# Altium PCB Dental Support V400.PcbDoc (part 2 of 2)
Units mm, origin at the board's own origin, x right, y up, seen from the top; angles counter-clockwise.
Board outline 100 x 70 mm, 2 copper layers (Top Layer, Bottom Layer); 69 components, 58 nets, 237 pads, 112 vias.
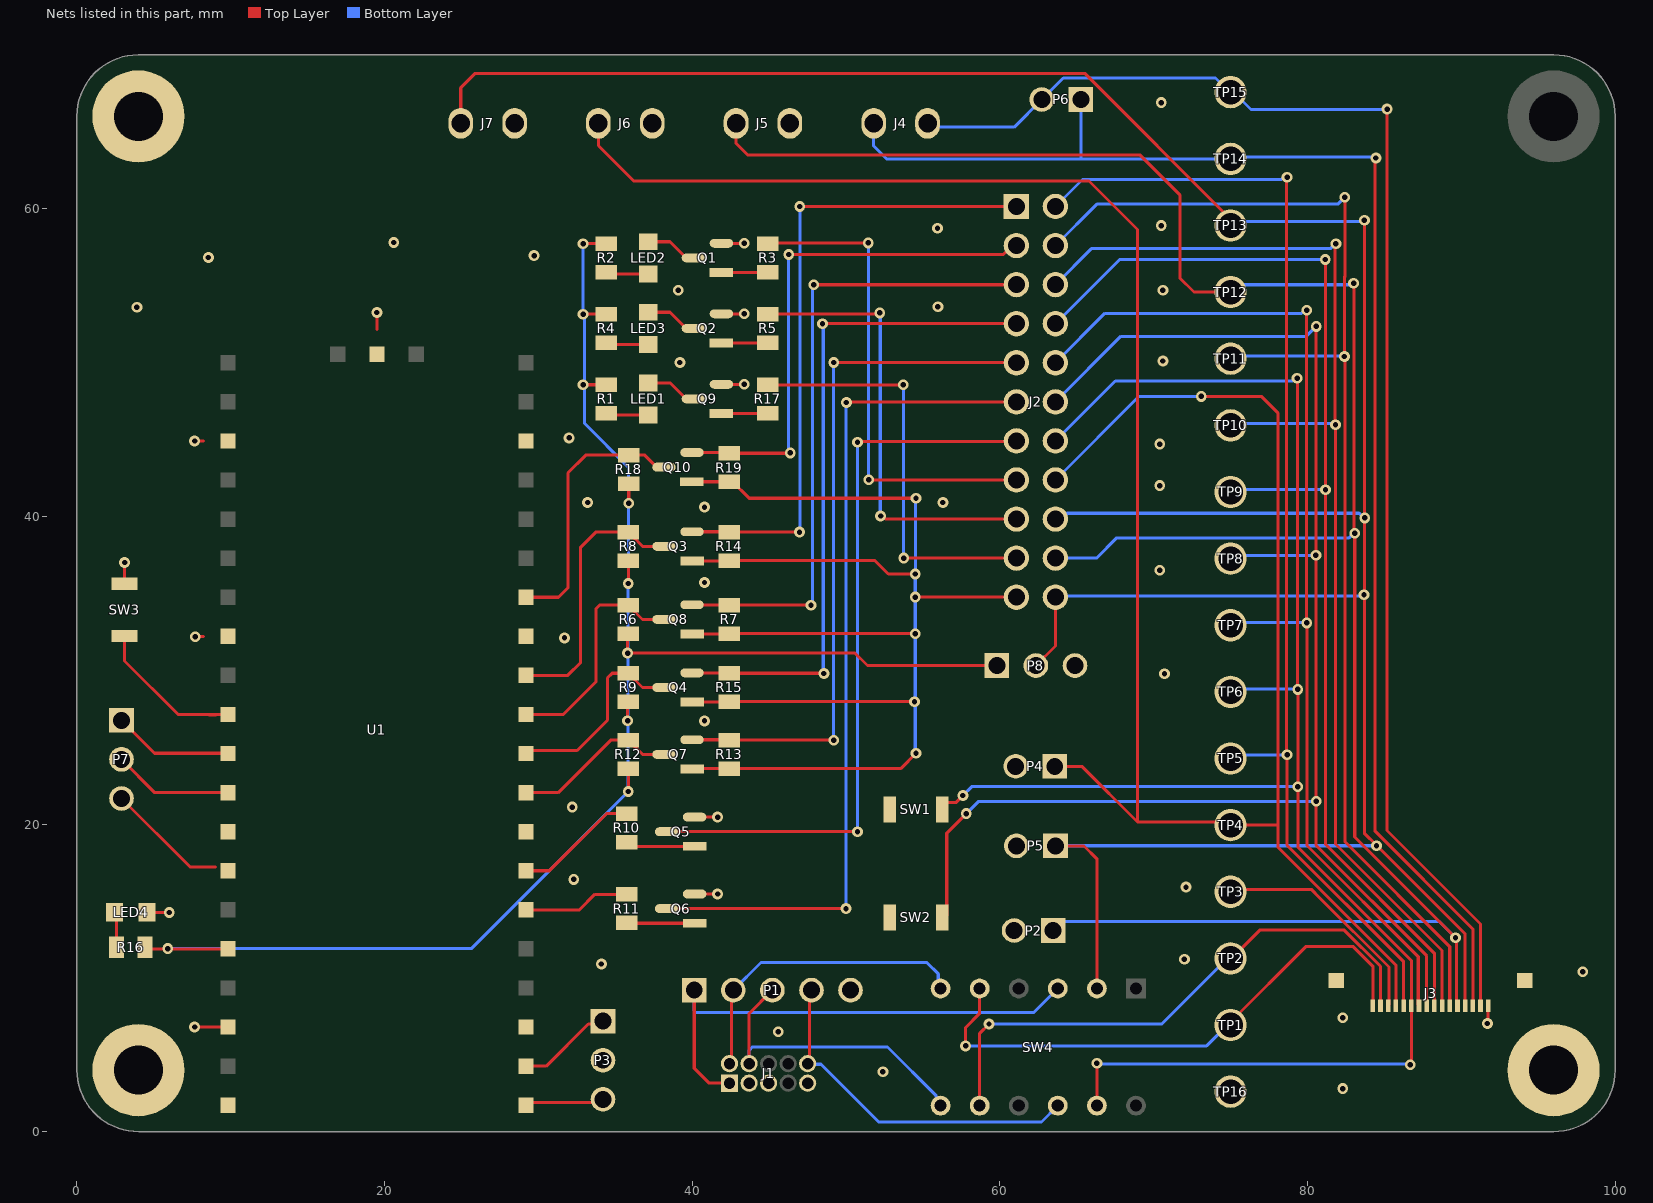
[diagram p2: the nets of this part, all layers, seen from the top]

## Part data
J1: library part CMP-02766-000059-1, "CONN HEADER VERT 10POS 1.27MM", Manufacturer=Samtec, Package=0, Temperature="-55°C to +125°C", Temperature Range High=+125°C, Temperature Range Low=-55°C, Automotive=No, Category=Conn, ComponentLink2Description=Datasheet, ComponentLink2URL=http://suddendocs.samtec.com/prints/shf-1xx-01-x-d-xx-xx-mkt.pdf, Conn Gender=Male, Conn Orientation=Vertical, Contact Material=Gold,Nickel, Device Class L1=Connectors, Device Class L2="Headers and Wire Housings", Device Class L3=unset, Digikey Description="CONN HEADER VERT 10POS 1.27MM", Footprint Url=http://suddendocs.samtec.com/prints/shf-1xx-01-x-d-xx-xx-footprint.pdf, Height=5.46mm, Lead Free=Yes, Manufacturer Part Number=SHF-105-01-L-D-TH, Mouser Description="Conn Shrouded Header (4 Sides) HDR 10 POS 1.27mm Solder ST Thru-Hole Tube", Number Of Contacts=10, Number of Rows=2, Octopart=https://octopart.com/shf-105-01-l-d-th-samtec-17904677, Pitch=1.27mm, RoHS=TRUE, Standoff Height=0.38mm
J2: library part CMP-1502-01108-1, "THT Vertical Pin Header WR-PHD, Pitch 2.54 mm, Dual Row, 22 pins", Contact Resistance=20mOhm, Manufacturer="Wurth Elektronik", Operating Temperature=-40to105degC, Rated Current=3A, Withstanding Voltage=500VAC, Working Voltage=250VAC, Datasheet URL=https://katalog.we-online.de/em/datasheet/6130xx21121.pdf, Gender=Male, Manufacturer URL=http://www.we-online.de, Mounting Technology=THT, Orientation=Vertical, Package Reference=61302221121, Packaging=Bag, Part Number=61302221121, Pin Number=22, Pitch=2.54mm, Publisher=WurthElektronik, Row Number=Dual
J3: library part CMP-1241-00362-1, "0.5 mm Pitch Easy-On(TM) Type FPC Connector, 2.0 mm Mated Height, Right Angle, ZIF, SMT, Top Contact, 16 Circuits, -20 to 85 degC, ELV and RoHS Compliant, Tape and Reel", Current (Max per Contact)=0.5A, Manufacturer=Molex, Voltage (Max)=50V, Circuits (Loaded)=16, ComponentLink1Description="Manufacturer URL", ComponentLink1URL=http://www.molex.com/molex/index.jsp, ComponentLink2Description=Datasheet, ComponentLink2URL=http://www.molex.com/webdocs/datasheets/pdf/en-us/0527451697_FFC_FPC_CONNECTORS.pdf, ComponentLink3Description="Package Specification", ComponentLink3URL=http://www.molex.com/pdm_docs/sd/527451697_sd.pdf, Contact Position=Top, Durability (mating cycles max)=20, Entry Angle="90degrees Angle", Mated Height=2.00mm, Material - Metal="Phosphor Bronze", Material - Plating Mating=Gold, Material - Plating Termination=Gold, Mounting Technology="Surface Mount", Number of Rows=1, Orientation="Right Angle", PackageDescription="16-Lead FPC Connector, Pitch 0.5 mm", PackageReference=52745-1697, PackageVersion="Rev. C, 07/2010", Packing="Tape and Reel", PartNumber=52745-1697, PCB Locator=No, PCB Retention=Yes, Pitch - Mating Interface=0.50mm, Polarized to PCB=Yes, RoHS=TRUE, Stackable=No
LED1 LED2 LED3 LED4: library part CMP-1426-00010-2, "LED RED CLEAR 0805 SMD", Case Code (Imperial)=0805, Case Code (Metric)=2012, Color=Red, Forward Current=30mA, Forward Voltage=1.9V, Lens Color=Colorless, Max Operating Temperature=85°C, Min Operating Temperature=-40°C, Package Quantity=1, Test Current=20mA, Case/Package=0805, Dominant Wavelength=630nm, Height=0.8mm, Length=2mm, Lens Size=1.25mm, Lens Style=Clear, Lens Transparency=Clear, Luminous Intensity=60mcd, Mount="Surface Mount", Packaging="Cut Tape", RoHS Compliant=Yes, Series=WL-SMCW, Viewing Angle=140°, Wavelength=630nm, Width=1.25mm
P1: library part CMP-1502-01068-1, "THT Vertical Pin Header WR-PHD, Pitch 2.54 mm, Single Row, 5 pins", Contact Resistance=20mOhm, Manufacturer="Wurth Elektronik", Operating Temperature=-40to105degC, Rated Current=3A, Withstanding Voltage=500VAC, Working Voltage=250VAC, Datasheet URL=https://katalog.we-online.de/em/datasheet/6130xx11121.pdf, Gender=Male, Manufacturer URL=http://www.we-online.de, Mounting Technology=THT, Orientation=Vertical, Package Reference=61300511121, Packaging=Bag, Part Number=61300511121, Pin Number=5, Pitch=2.54mm, Publisher=WurthElektronik, Row Number=Single
P2 P4 P5 P6: library part CMP-1712-00002-4, "THT Vertical Pin Header WR-PHD, Pitch 2.54 mm, Single Row, 2 pins", Contact Resistance=20mOhm, Manufacturer="Wurth Elektronik", Operating Temperature=-40to105degC, Rated Current=3A, Withstanding Voltage=500VAC, Working Voltage=250VAC, Datasheet URL=https://katalog.we-online.de/em/datasheet/6130xx11121.pdf, Gender=Male, Manufacturer URL=http://www.we-online.de, Mounting Technology=THT, Orientation=Vertical, Package Reference=61300211121, Packaging=Bag, Part Number=61300211121, Pin Number=2, Pitch=2.54mm, Publisher=WurthElektronik, Row Number=Single
P3 P7 P8: library part CMP-1502-01062-1, "THT Vertical Pin Header WR-PHD, Pitch 2.54 mm, Single Row, 3 pins", Contact Resistance=20mOhm, Manufacturer="Wurth Elektronik", Operating Temperature=-40to105degC, Rated Current=3A, Withstanding Voltage=500VAC, Working Voltage=250VAC, Datasheet URL=https://katalog.we-online.de/em/datasheet/6130xx11121.pdf, Gender=Male, Manufacturer URL=http://www.we-online.de, Mounting Technology=THT, Orientation=Vertical, Package Reference=61300311121, Packaging=Bag, Part Number=61300311121, Pin Number=3, Pitch=2.54mm, Publisher=WurthElektronik, Row Number=Single
Q1 Q2 Q3 Q4 Q5 Q6 Q7 Q8 Q9 Q10: library part CMP-07173-000101-1, "MOSFET N-CH 50V 220MA SOT-23", Case/Package=SOT-23, Continuous Drain Current (ID)=220mA, Drain to Source Breakdown Voltage=50V, Drain to Source Resistance=3.5R, Gate to Source Voltage (Vgs)=20V, Input Capacitance=27pF, Max Operating Temperature=150°C, Max Power Dissipation=360mW, Min Operating Temperature=-55°C, On-State Resistance=6R, Package Quantity=1, Threshold Voltage=1.3V, Contact Plating=Tin, Current Rating=220mA, Drain to Source Voltage (Vdss)=50V, Dual Supply Voltage=50V, Element Configuration=Single, Fall Time=9ns, Height=0.93mm, Lead Free="Lead Free", Length=2.92mm, Mount="Surface Mount", Nominal Vgs=1.3V, Number of Elements=1, Number of Pins=3, Packaging="Tape and Reel", Power Dissipation=360mW, Radiation Hardening=No, Rds On Max=3.5R, REACH SVHC="No SVHC", Rise Time=9ns, Termination=SMD/SMT, Turn-Off Delay Time=20ns, Turn-On Delay Time=2.5ns, Voltage Rating (DC)=50V, Weight=0.03g, Width=1.3mm
R1 R2 R4 R16: library part ERJ-6ENF2001V, "RES SMD 2K OHM 1% 1/8W 0805", Digi-Key Part Number=P2.00KCCT-ND, Manufacturer="Panasonic Electronic Components", Operating Temperature="-55°C ~ 155°C", Package / Case="0805 (2012 Metric)", Power (Watts)="0.125W, 1/8W", Supplier Device Package=0805, Temperature Coefficient=±100ppm/°C, Tolerance=±1%, @ qty=1500, Composition="Thick Film", Datasheets=http://industrial.panasonic.com/www-cgi/jvcr13pz.cgi?E+PZ+3+AOA0002+ERJ6ENF2001V+7+WW, Factory Stock=0, Failure Rate=-, Features="Automotive AEC-Q200", Height - Seated (Max)="0.028\" (0.70mm)", Image=//media.digikey.com/Renders/Panasonic%20Renders/ERJ-0805%20Pkg.jpg, Minimum Quantity=1, Number of Terminations=2, Packaging="Cut Tape (CT)", Part Number=ERJ-6ENF2001V, Part Status=Active, Quantity Available=732688, Series=ERJ, Size / Dimension="0.079\" L x 0.049\" W (2.00mm x 1.25mm)", Unit Price (USD)=0.00729
R3 R5 R10 R11 R17: library part ERJ-6ENF1000V, "RES SMD 100 OHM 1% 1/8W 0805", Digi-Key Part Number=P100CCT-ND, Manufacturer="Panasonic Electronic Components", Operating Temperature="-55°C ~ 155°C", Package / Case="0805 (2012 Metric)", Power (Watts)="0.125W, 1/8W", Supplier Device Package=0805, Temperature Coefficient=±100ppm/°C, Tolerance=±1%, @ qty=1500, Composition="Thick Film", Datasheets=http://industrial.panasonic.com/www-cgi/jvcr13pz.cgi?E+PZ+3+AOA0002+ERJ6ENF1000V+7+WW, Factory Stock=0, Failure Rate=-, Features="Automotive AEC-Q200", Height - Seated (Max)="0.028\" (0.70mm)", Image=//media.digikey.com/Renders/Panasonic%20Renders/ERJ-0805%20Pkg.jpg, Minimum Quantity=1, Number of Terminations=2, Packaging="Cut Tape (CT)", Part Number=ERJ-6ENF1000V, Part Status=Active, Quantity Available=288663, Series=ERJ, Size / Dimension="0.079\" L x 0.049\" W (2.00mm x 1.25mm)", Unit Price (USD)=0.00729
R6 R7 R8 R9 R12 R13 R14 R15 R18 R19: library part ERJ-6ENF1002V, "RES SMD 10K OHM 1% 1/8W 0805", Digi-Key Part Number=P10.0KCCT-ND, Manufacturer="Panasonic Electronic Components", Operating Temperature="-55°C ~ 155°C", Package / Case="0805 (2012 Metric)", Power (Watts)="0.125W, 1/8W", Supplier Device Package=0805, Temperature Coefficient=±100ppm/°C, Tolerance=±1%, @ qty=1500, Composition="Thick Film", Datasheets=http://industrial.panasonic.com/www-cgi/jvcr13pz.cgi?E+PZ+3+AOA0002+ERJ6ENF1002V+7+WW, Factory Stock=0, Failure Rate=-, Features="Automotive AEC-Q200", Height - Seated (Max)="0.028\" (0.70mm)", Image=//media.digikey.com/Renders/Panasonic%20Renders/ERJ-0805%20Pkg.jpg, Minimum Quantity=1, Number of Terminations=2, Packaging="Cut Tape (CT)", Part Number=ERJ-6ENF1002V, Part Status=Active, Quantity Available=3985614, Series=ERJ, Size / Dimension="0.079\" L x 0.049\" W (2.00mm x 1.25mm)", Unit Price (USD)=0.00729
SW1 SW2 SW3: library part CMP-2100-03586-2, "SWITCH TACTILE SPST-NO 0.05A 12V", Contact Current Rating=50mA, Contact Resistance=100mR, Insulation Resistance=100MR, Max Operating Temperature=70°C, Max Voltage Rating (DC)=12V, Min Operating Temperature=-25°C, Operating Force=1.5N, Package Quantity=1, Ratings="Dust Proof", Actuator Length=0.4mm, Actuator Type=Standard, Contact Material=Silver, Current Rating=50mA, Depth=2.5mm, Electrical Life=200000Cycles, Height=1.2mm, Illumination Type=Non-Illuminated, Lead Free="Lead Free", Length=4mm, Max Current Rating=50mA, Mechanical Life=200000Cycles, Mount="Surface Mount", Orientation=Straight, Packaging="Tape and Reel", Switch Function=Off-Mom, Switch Travel=0.15mm, Termination=SMD/SMT, Throw Configuration=SPST, Voltage Rating (DC)=12V, Weight=0.000776oz, Width=3mm
SW4: library part CMP-03405-000007-1, "Pushbutton Switch SPST-NO Keyswitch, Illuminated Through Hole", Actuator Color=Natural, Contact Current Rating=300mA, Contact Resistance=40mR, Flammability Rating="UL94 V-0", Max Operating Temperature=80°C, Max Voltage Rating (DC)=115V, Min Operating Temperature=-40°C, Actuator Material=Polyester, Actuator Type=SLIDE, Color=Natural, Contact Material="Copper Alloy", Contact Plating=Silver, Current Rating=300mA, Electrical Life=15000Cycles, Lead Free="Lead Free", Mount="Through Hole", Number of Poles=4, Number of Positions=2, Orientation=Vertical, Packaging=Rail/Tube, REACH SVHC="No SVHC", RoHS Compliant=Yes, Termination=Solder, Throw Configuration=4PDT, Voltage Rating (AC)=115V
TP1 TP2 TP3 TP4 TP5 TP6 TP7 TP8 TP9 TP10 TP11 TP12 TP13 TP14 TP15 TP16: library part CMP-1672-00003-4, "Test Point, Black, Through Hole, RoHS, Bulk", Colour=Black, Manufacturer=Keystone, Package Quantity=100, ComponentLink1Description="Manufacturer URL", ComponentLink1URL=http://www.keyelco.com/, ComponentLink2Description=Datasheet, ComponentLink2URL=http://www.keyelco.com/product-pdf.cfm?p=1320, Contact Material=Bronze, Contact Plating=Silver, DatasheetVersion="Rev. F, 12/2013", Height="8.12 mm", Mount="Through Hole", Mounting Technology="Through Hole", PackageDescription="1-Pin Through Hole Device, Dia 3.17 mm", PackageReference=5011, Packaging=Bulk, Pins=1, REACH SVHC="No SVHC", RoHSCompliant=true

## Free pads (board coordinates)
  round 6 hole 3.2: 2(4,4) 2(4,66) 2(96,4) 2(96,66)

## Via types
v1: diameter 0.7, hole 0.35, Top Layer to Bottom Layer, tented both sides, 112 vias

## Nets (pads, with @x,y where several pads share a name; then routed paths per layer and width w, separated by ;. In a path a pad name is that pad's centre, name@x,y a point inside that pad or via, vN(x,y) a via of type N, cw(c..) or ccw(c..) an arc to the next point about the centre after c; other vN are vias at no path point)
3V3: P8.1 R1.1 R2.1 R4.1 R6.2 R8.2 R9.2 R12.2 R16.1 R18.2 U1.36 | length 112.5
  Top Layer w0.2: R16.1@4.425,12 4.545,11.88 U1.36@9.82,11.88 U1.36@9.815,11.875 ; v1(32.91,48.558) R1.1@34.4,48.558 ; v1(32.91,53.142) R4.1@34.4,53.142 ; v1(32.91,57.725) R2.1@34.4,57.725 ; v1(35.8,26.71) R9.2@35.8,28.2 ; R6.2@35.8,32.6 v1(35.8,31.11) 50.59,31.11 51.399,30.301 P8.1@59.805,30.301 ; v1(35.85,22.11) R12.2@35.85,23.6 ; v1(35.85,35.635) R8.2@35.85,37.125 ; v1(35.875,40.85) R18.2@35.875,42.125
  Bottom Layer w0.2: v1(5.9,11.9) 25.64,11.9 v1(35.85,22.11) 35.825,22.135 35.825,31.085 v1(35.8,31.11) 35.825,31.135 35.825,35.61 v1(35.85,35.635) 35.85,43.2 33.01,46.04 33.01,48.558 v1@33.01,53.142 ; v1(32.91,53.142) v1(32.91,57.725)
5V: U1.40
CS_ACC: J2.4 J3.6 TP11.1 | length 83
  Top Layer w0.2: v1@82.4,60.75 82.45,60.7 82.45,55.598 82.4,55.548 v1(82.4,50.395) 82.45,50.345 82.45,18.825 89.25,12.025 J3.6@89.25,8.176
  Bottom Layer w0.2: J2.4@63.615,57.605 66.31,60.3 81.975,60.3 v1(82.425,60.75) ; TP11.1@75,50.448 75.027,50.422 82.373,50.422 v1(82.4,50.395)
CS_MEM: J2.2 J3.12 TP5.1 | length 76.6
  Top Layer w0.2: v1(78.675,62.05) 78.65,62.025 78.65,24.525 v1(78.675,24.5) 78.675,18.625 86.25,11.05 J3.12@86.25,8.176
  Bottom Layer w0.2: J2.2@63.615,60.145 65.37,61.9 78.308,61.9 78.362,61.954 78.579,61.954 v1(78.675,62.05) ; TP5.1@75,24.458 75.021,24.479 78.654,24.479 v1(78.675,24.5)
DEBUG: J3.14 TP3.1 | length 15
  Top Layer w0.2: TP3.1@75,15.595 cw(c75.374,15.221) 75.374,15.75 80.25,15.75 80.787,15.213 85.3,10.7 85.3,8.226 J3.14@85.25,8.176
  Bottom Layer w0.2: TP3.1@75,15.795 TP3.1@75.022,15.772
GND: J1.3 J1.5 J1.9 J3.1 J3.MP1 J3.MP2 J5.2 J6.2 J7.2 LED4.1 P1.5 P2.2 P3.2 P4.2 P5.2 P8.3 pad.2@4,4 pad.2@4,66 pad.2@96,4 Q1.2 Q2.2 Q5.2 Q6.2 Q9.2 SW1.1 SW2.1 SW3.1 TP16.1 U1.3 U1.8 U1.13 U1.18 U1.23 U1.28 U1.33 U1.38 U1.D2 | length 15.8
  Top Layer w0.2: SW3.1@3.1,35.625 v1(3.1,37) ; LED4.1@4.55,14.25 v1(6,14.25) ; v1@7.625,6.775 v1(7.65,6.8) U1.38@9.82,6.8 ; v1(7.65,44.9) 8.22,44.9 ; v1(7.7,32.175) 7.725,32.2 8.22,32.2 ; 19.51,52.15 v1@19.51,53.259 ; Q6.2@40.16,15.45 v1(41.65,15.45) ; Q5.2@40.16,20.45 v1(41.65,20.45) ; Q9.2@41.9,48.583 v1(43.39,48.583) ; Q2.2@41.9,53.167 v1(43.39,53.167) ; Q1.2@41.9,57.75 v1(43.39,57.75) ; v1@91.75,7.078 J3.1@91.75,8.176
  other v1: 82.3,2.8 52.4,3.9 45.6,6.5 91.7,7.028 82.3,7.4 97.9,10.4 34.1,10.9 72,11.2 72.1,15.9 32.3,16.4 32.2,21.1 40.8,26.7 70.703,29.769 31.7,32.1 40.8,35.7 70.4,36.5 40.8,40.6 33.2,40.9 56.3,40.9 70.4,42 70.4,44.7 32,45.1 39.2,50 70.6,50.1 19.505,53.255 3.9,53.6 55.975,53.625 39.1,54.7 70.6,54.7 8.55,56.825 29.725,56.95 20.6,57.8 55.95,58.725 70.5,58.9 70.5,66.9
LED1: J2.15 R3.1 | length 31.6
  Top Layer w0.2: R3.1@44.9,57.725 44.95,57.775 v1(51.45,57.775) ; v1(51.475,42.375) 51.48,42.37 61.07,42.37 J2.15@61.075,42.365
  Bottom Layer w0.2: v1(51.45,57.775) 51.463,57.763 51.463,42.387 v1(51.475,42.375)
LED2: J2.17 R5.1 | length 29.5
  Top Layer w0.2: R5.1@44.9,53.142 52.117,53.142 v1(52.2,53.225) ; v1(52.25,40.025) 52.385,40.025 52.585,39.825 J2.17@61.075,39.825
  Bottom Layer w0.2: v1(52.2,53.225) 52.225,53.2 52.225,40.05 v1(52.25,40.025)
LED3: J2.19 R17.1 | length 27.8
  Top Layer w0.2: R17.1@44.854,48.55 v1(53.725,48.55) ; v1(53.75,37.285) J2.19@61.075,37.285
  Bottom Layer w0.2: v1(53.725,48.55) 53.725,37.31 v1(53.75,37.285) ; J2.19@60.86,37.5 J2.19@61.075,37.285
MISO: J2.6 J3.7 TP10.1 | length 78.7
  Top Layer w0.2: v1@81.8,57.725 81.8,45.975 v1(81.825,45.95) 81.825,18.7 88.75,11.775 J3.7@88.75,8.176
  Bottom Layer w0.2: J2.6@63.615,55.065 65.95,57.4 81.483,57.4 81.808,57.725 v1(81.85,57.725) ; TP10.1@75,46.117 75.083,46.033 81.742,46.033 v1(81.825,45.95)
MOSI: J2.8 J3.8 TP9.1 | length 76.9
  Top Layer w0.2: v1@81.175,56.7 v1(81.175,41.725) 81.175,18.675 88.25,11.6 J3.8@88.25,8.176
  Bottom Layer w0.2: J2.8@63.615,52.525 67.79,56.7 v1(81.15,56.7) ; TP9.1@75,41.785 75.03,41.755 81.145,41.755 v1(81.175,41.725)
NetLED1_1: LED1.1 Q9.3 | length 3.4
  Top Layer w0.2: LED1.1@37.15,48.683 38.557,48.683 39.607,47.633 Q9.3@40.08,47.633
NetLED1_2: LED1.2 R1.2 | length 2.8
  Top Layer w0.2: R1.2@34.4,46.708 34.525,46.583 LED1.2@37.15,46.583
NetLED2_1: LED2.1 Q1.3 | length 3.4
  Top Layer w0.2: LED2.1@37.15,57.85 38.557,57.85 39.607,56.8 Q1.3@40.08,56.8
NetLED2_2: LED2.2 R2.2 | length 2.8
  Top Layer w0.2: R2.2@34.4,55.875 34.525,55.75 LED2.2@37.15,55.75
NetLED3_1: LED3.1 Q2.3 | length 3.4
  Top Layer w0.2: LED3.1@37.15,53.267 38.557,53.267 39.607,52.217 Q2.3@40.08,52.217
NetLED3_2: LED3.2 R4.2 | length 2.8
  Top Layer w0.2: R4.2@34.4,51.292 34.525,51.167 LED3.2@37.15,51.167
NetLED4_2: LED4.2 R16.2 | length 2.3
  Top Layer w0.2: LED4.2@2.45,14.25 2.575,14.125 R16.2@2.575,12
NetP3_1: P3.1 U1.2 | length 6.7
  Top Layer w0.2: U1.2@29.2,4.26 30.51,4.26 33.25,7 P3.1@34.75,7
NetP3_3: P3.3 U1.1 | length 5.1
  Top Layer w0.2: U1.1@29.2,1.72 29.365,1.885 P3.3@34.275,1.885
NetP7_1: P7.1 U1.31 | length 7.8
  Top Layer w0.2: P7.1@2.9,26.74 5.04,24.6 U1.31@9.82,24.6
NetP7_2: P7.2 U1.32 | length 7.8
  Top Layer w0.2: P7.2@2.9,24.2 5.06,22.04 U1.32@9.82,22.04
NetP7_3: P7.3 U1.34 | length 7.9
  Top Layer w0.2: P7.3@2.9,21.66 7.36,17.2 9,17.2
NetQ1_1: Q1.1 R3.2 | length 3.1
  Top Layer w0.2: Q1.1@41.9,55.85 R3.2@44.834,55.85 ; R3.2@44.9,55.784 R3.2@44.834,55.85 ; R3.2@44.9,55.875 44.875,55.85 R3.2@44.834,55.85
NetQ2_1: Q2.1 R5.2 | length 3
  Top Layer w0.2: Q2.1@41.9,51.267 44.875,51.267 R5.2@44.9,51.292
NetQ5_1: Q5.1 R10.2 | length 4.5
  Top Layer w0.2: R10.2@35.776,18.585 35.75,18.559 35.759,18.55 Q5.1@40.16,18.55
NetQ6_1: Q6.1 R11.2 | length 4.4
  Top Layer w0.2: R11.2@35.75,13.484 R11.2@35.756,13.49 ; R11.2@35.75,13.575 35.775,13.55 Q6.1@40.16,13.55
NetQ9_1: Q9.1 R17.2 | length 3
  Top Layer w0.2: Q9.1@41.9,46.683 44.875,46.683 R17.2@44.9,46.708
NetSW3_2: SW3.2 U1.30 | length 10.2
  Top Layer w0.2: SW3.2@3.1,32.225 3.1,30.6 6.58,27.12 U1.30@9.82,27.12 ; 8.575,27.1 9.025,27.1
P_RESET: R10.1 U1.7 | length 8.1
  Top Layer w0.2: U1.7@29.2,16.96 30.71,16.96 34.425,20.675 R10.1@35.75,20.675
P_WAKE_UP: R11.1 U1.6 | length 7.2
  Top Layer w0.2: U1.6@29.2,14.42 32.67,14.42 33.675,15.425 R11.1@35.659,15.425 ; R11.1@35.588,15.354 R11.1@35.659,15.425 ; R11.1@35.75,15.425 R11.1@35.659,15.425 ; R11.1@35.75,15.516 R11.1@35.659,15.425
PI_CS_ACC: Q10.3 R18.1 U1.14 | length 17.5
  Top Layer w0.2: U1.14@29.2,34.74 31.315,34.74 31.925,35.35 31.925,42.825 33.075,43.975 R18.1@35.875,43.975 36.917,43.975 37.692,43.2 Q10.3@38.165,43.2
PI_CS_MEM: Q3.3 R8.1 U1.12 | length 17.6
  Top Layer w0.2: U1.12@29.2,29.66 31.91,29.66 32.75,30.5 32.75,38 33.725,38.975 R8.1@35.85,38.975 36.775,38.05 Q3.3@38.172,38.05
PI_MISO: Q8.3 R6.1 U1.11 | length 15.1
  Top Layer w0.2: U1.11@29.2,27.12 31.62,27.12 33.75,29.25 33.75,34 33.975,34.225 R6.1@35.85,34.225 36.775,33.3 Q8.3@38.172,33.3
PI_MOSI: Q4.3 R9.1 U1.10 | length 13.1
  Top Layer w0.2: U1.10@29.2,24.58 29.395,24.775 32.525,24.775 34.5,26.75 34.5,29.5 34.8,29.8 R9.1@35.85,29.8 36.775,28.875 Q4.3@38.172,28.875
PI_SCLK: Q7.3 R12.1 U1.9 | length 10.8
  Top Layer w0.2: U1.9@29.2,22.04 31.29,22.04 34.7,25.45 R12.1@35.85,25.45 36.775,24.525 Q7.3@38.172,24.525
RESET: J2.14 J3.11 SW1.2 SW4.11 TP6.1 | length 116.5
  Top Layer w0.2: SW1.2@56.375,20.9 56.375,21.215 56.55,21.39 57.14,21.39 v1(57.6,21.85) ; SW4.11@66.31,1.69 v1(66.31,4.44) ; v1@79.35,48.975 79.35,28.775 v1(79.375,28.75) v1(79.375,22.425) 79.375,18.5 86.75,11.125 J3.11@86.75,8.176 86.75,4.425 v1(86.675,4.35)
  Bottom Layer w0.2: v1(57.6,21.85) 58.175,22.425 v1(79.375,22.425) ; J2.14@63.615,44.905 67.51,48.8 79.015,48.8 79.19,48.975 v1(79.325,48.975) ; v1(66.31,4.44) 66.355,4.395 86.63,4.395 v1(86.675,4.35) ; TP6.1@75,28.79 75.02,28.77 79.355,28.77 v1(79.375,28.75)
S_CS_ACC: J2.3 Q10.2 R19.1 | length 34.4
  Top Layer w0.2: Q10.2@39.985,44.15 42.35,44.15 R19.1@42.4,44.1 46.35,44.1 v1(46.375,44.125) ; v1(46.275,57.025) 60.233,57.025 60.813,57.605 J2.3@61.075,57.605
  Bottom Layer w0.2: v1(46.275,57.025) 46.275,44.225 v1(46.375,44.125)
S_CS_MEM: J2.1 Q3.2 R14.1 | length 42.2
  Top Layer w0.2: Q3.2@39.992,39 42.375,39 R14.1@42.4,38.975 v1(46.975,38.975) ; v1(47,60.145) J2.1@61.075,60.145
  Bottom Layer w0.2: v1@47,38.975 v1(47,60.145)
S_MISO: J2.5 Q8.2 R7.1 | length 41.8
  Top Layer w0.2: Q8.2@39.992,34.25 42.375,34.25 R7.1@42.4,34.225 v1(47.725,34.225) ; v1(47.9,55.05) 47.907,55.057 61.068,55.057 J2.5@61.075,55.065
  Bottom Layer w0.2: v1@47.75,34.225 47.813,34.287 47.813,54.962 v1(47.9,55.05)
S_MOSI: J2.7 Q4.2 R15.1 | length 43.8
  Top Layer w0.2: Q4.2@39.992,29.825 42.375,29.825 R15.1@42.4,29.8 v1@48.5,29.8 ; v1(48.475,52.525) J2.7@61.075,52.525
  Bottom Layer w0.2: v1(48.475,52.525) 48.519,52.481 48.519,29.852 v1@48.544,29.827
  other v1: 48.562,29.784
S_RESET: J2.13 Q5.3 | length 48.1
  Top Layer w0.2: Q5.3@38.34,19.5 v1(50.75,19.5) ; v1(50.75,44.825) 50.79,44.865 61.035,44.865 J2.13@61.075,44.905
  Bottom Layer w0.2: v1(50.75,19.5) v1(50.75,44.825)
S_SCLK: J2.9 Q7.2 R13.1 | length 45.7
  Top Layer w0.2: Q7.2@39.992,25.475 42.375,25.475 R13.1@42.4,25.45 v1(49.2,25.45) ; v1(49.2,50) 49.208,49.992 61.067,49.992 J2.9@61.075,49.985
  Bottom Layer w0.2: v1(49.2,50) 49.2,25.5 v1@49.25,25.45
S_VDD: J2.21 Q3.1 Q4.1 Q7.1 Q8.1 Q10.1 R7.2 R13.2 R14.2 R15.2 R19.2 | length 96.6
  Top Layer w0.2: Q10.1@39.985,42.25 R19.2@42.4,42.25 42.625,42.25 43.7,41.175 v1(54.55,41.175) ; Q4.1@39.992,27.925 42.375,27.925 R15.2@42.4,27.95 v1(54.45,27.95) ; Q8.1@39.992,32.35 42.375,32.35 R7.2@42.4,32.375 v1(54.5,32.375) ; Q3.1@39.992,37.1 42.375,37.1 R14.2@42.4,37.125 51.875,37.125 52.75,36.25 v1(54.5,36.25) ; Q7.1@40.4,23.6 53.55,23.6 v1(54.55,24.6) ; v1(54.5,34.75) 54.503,34.747 61.072,34.747 J2.21@61.075,34.745
  Bottom Layer w0.2: v1(54.55,24.6) 54.5,24.65 v1(54.5,32.375) v1(54.5,34.75) v1(54.5,36.25) 54.525,36.275 54.525,41.15 v1(54.55,41.175)
S_WAKE_UP: J2.11 Q6.3 | length 55.6
  Top Layer w0.2: Q6.3@38.34,14.5 v1(50,14.5) ; v1(50.025,47.4) 50.047,47.422 61.053,47.422 J2.11@61.075,47.445
  Bottom Layer w0.2: v1(50,14.5) 50.012,14.513 50.012,47.387 v1(50.025,47.4)
SCLK: J2.10 J3.10 TP7.1 | length 71
  Top Layer w0.2: v1(79.95,53.4) v1(79.95,33.075) 79.975,33.05 79.975,24.625 79.975,18.6 87.2,11.375 87.2,8.226 J3.10@87.25,8.176
  Bottom Layer w0.2: J2.10@63.615,49.985 66.83,53.2 79.615,53.2 79.815,53.4 v1(79.95,53.4) ; TP7.1@75,33.122 75.023,33.098 79.927,33.098 v1(79.95,33.075)
SW_RESET: J1.10 P1.4 SW4.10 | length 23.2
  Top Layer w0.2: J1.10@47.51,4.42 47.632,4.542 47.632,9.077 P1.4@47.755,9.2
  Bottom Layer w0.2: J1.10@47.51,4.42 47.55,4.38 48.37,4.38 52.125,0.625 62.705,0.625 SW4.10@63.77,1.69
SW_SWCLK: J1.4 P1.3 SW4.7 | length 20.6
  Top Layer w0.2: J1.4@43.7,4.42 43.7,7.685 P1.3@45.215,9.2
  Bottom Layer w0.2: J1.4@43.7,4.42 43.7,5.3 43.9,5.5 52.7,5.5 55.862,2.338 55.862,2.273 56.15,1.985 SW4.7@56.15,1.69
SW_SWDIO: J1.2 P1.2 SW4.6 | length 20.3
  Top Layer w0.2: J1.2@42.43,4.42 42.552,4.542 42.552,9.077 P1.2@42.675,9.2
  Bottom Layer w0.2: P1.2@42.675,9.2 44.475,11 55.25,11 55.995,10.255 55.995,9.465 SW4.6@56.15,9.31
SW_VDD: J1.1 P1.1 SW4.3 | length 33.4
  Top Layer w0.2: P1.1@40.135,9.2 40.135,4.115 41.1,3.15 J1.1@42.43,3.15
  Bottom Layer w0.2: P1.1@40.135,9.2 40.135,7.867 40.252,7.75 62.21,7.75 SW4.3@63.77,9.31
SWCLK: J3.15 SW4.8 TP2.1 | length 37.1
  Top Layer w0.2: SW4.8@58.69,1.69 58.69,6.39 v1(59.3,7) ; TP2.1@75,11.463 75.263,11.463 76.9,13.1 82.395,13.1 84.75,10.745 J3.15@84.75,8.176
  Bottom Layer w0.2: v1(59.3,7) 70.537,7 75,11.463 TP2.1@75.006,11.469
SWDIO: J3.16 SW4.5 TP1.1 | length 36.4
  Top Layer w0.2: v1(57.775,5.575) 57.775,6.775 58.69,7.69 SW4.5@58.69,9.31 ; TP1.1@75,7.132 79.918,12.05 82.95,12.05 84.25,10.75 J3.16@84.25,8.176
  Bottom Layer w0.2: v1(57.775,5.575) 73.443,5.575 TP1.1@75,7.132
TEG+: J3.3 J4.1 P6.1 TP14.1 | length 96.6
  Top Layer w0.2: v1(84.45,63.3) 84.4,63.25 84.4,19.525 90.75,13.175 J3.3@90.75,8.176
  Bottom Layer w0.2: J4.1@51.8,66.1 51.8,64.075 52.632,63.243 65.27,63.243 ; P6.1@65.27,67.1 65.27,63.243 ; TP14.1@75,63.243 65.27,63.243 ; TP14.1@75.072,63.372 84.378,63.372 v1(84.45,63.3)
TEG-: J3.2 J4.2 P6.2 TP15.1 | length 93.1
  Top Layer w0.2: v1(85.175,66.475) 85.175,19.575 91.25,13.5 J3.2@91.25,8.176
  Bottom Layer w0.2: J4.2@55.3,66.1 56.1,65.3 60.93,65.3 P6.2@62.73,67.1 64.13,68.5 74.016,68.5 74.941,67.575 TP15.1@75,67.575 ; TP15.1@75.1,67.675 76.325,66.45 85.15,66.45 v1(85.175,66.475)
VDD: J2.18 J2.22 J3.4 J7.1 P5.1 P8.2 SW4.2 TP13.1 | length 197.5
  Top Layer w0.2: J7.1@24.956,65.55 24.956,67.856 25.9,68.8 65.524,68.8 75,59.324 TP13.1@75,58.912 ; P8.2@62.345,30.301 63.615,31.571 J2.22@63.615,34.745 ; P5.1@63.62,18.575 65.475,18.575 66.31,17.74 SW4.2@66.31,9.31 ; v1(83.7,59.25) 83.7,19.4 84.488,18.612 v1(84.488,18.588) ; v1@84.5,18.6 84.501,18.6 90.25,12.851 J3.4@90.25,8.176
  Bottom Layer w0.2: J2.22@63.615,34.745 63.77,34.9 63.848,34.822 83.597,34.822 v1(83.675,34.9) ; J2.18@63.615,39.825 64.007,39.825 64.382,40.2 83.358,40.2 83.658,39.9 v1(83.725,39.9) ; P5.1@63.62,18.575 63.633,18.588 v1(84.488,18.588) ; TP13.1@75,59.112 75.069,59.181 83.631,59.181 v1(83.7,59.25)
VEXT: J2.16 J3.13 J6.1 P4.1 TP4.1 | length 152.2
  Top Layer w0.2: J6.1@33.904,65.55 33.904,64.096 36.2,61.8 65.8,61.8 68.948,58.652 68.948,20.127 ; P4.1@63.57,23.75 65.325,23.75 68.948,20.127 ; v1(73.1,47.8) 77,47.8 78.075,46.725 78.075,19.9 ; TP4.1@75,19.927 78.011,19.927 cw(c78.011,19.836) 78.075,19.9 ; TP4.1@75,20.127 68.948,20.127 ; J3.13@85.75,8.176 85.75,10.825 78.075,18.5 78.075,19.9
  Bottom Layer w0.2: J2.16@63.615,42.365 69.05,47.8 v1(73.1,47.8)
VSTORE: J2.20 J3.5 J5.1 P2.1 TP12.1 | length 145.7
  Top Layer w0.2: J5.1@42.852,65.55 42.852,64.248 43.6,63.5 69.1,63.5 71.7,60.9 71.7,55.5 72.62,54.58 TP12.1@75,54.58 ; P2.1@63.47,13.075 P2.1@63.607,12.938 ; v1(83,55.15) 83.037,55.112 83.037,38.938 v1(83.075,38.9) 83.075,19.15 89.7,12.525 89.7,8.226 J3.5@89.75,8.176
  Bottom Layer w0.2: P2.1@63.47,13.075 64.07,13.675 88.55,13.675 v1(89.625,12.6) ; J2.20@63.615,37.285 66.285,37.285 67.6,38.6 82.708,38.6 83.008,38.9 v1(83.075,38.9) ; TP12.1@75,54.78 75.274,55.054 82.904,55.054 v1(83,55.15)
WAKE_UP: J2.12 J3.9 SW2.2 TP8.1 | length 102.2
  Top Layer w0.2: SW2.2@56.375,13.875 56.55,14.05 56.55,19.4 v1(57.825,20.675) ; v1@80.55,21.475 80.55,18.625 87.75,11.425 J3.9@87.75,8.176 ; v1@80.55,52.35 v1(80.55,37.475) 80.563,37.462 80.563,21.488 v1(80.575,21.475)
  Bottom Layer w0.2: v1(57.825,20.675) 58.625,21.475 v1(80.575,21.475) ; J2.12@63.615,47.445 67.87,51.7 79.925,51.7 v1(80.575,52.35) ; TP8.1@75,37.453 75.011,37.464 80.539,37.464 v1(80.55,37.475)
pads on no net: J1.6 J1.7 J1.8 SW4.1 SW4.4 SW4.9 SW4.12 U1.4 U1.5 U1.15 U1.16 U1.17 U1.19 U1.20 U1.21 U1.22 U1.24 U1.25 U1.26 U1.27 U1.29 U1.35 U1.37 U1.39 U1.D1 U1.D3

## Polygon pours and split planes (outlines as drawn)
GND on Bottom Layer "GND_L02_P002" (solid, remove dead copper, pour order 2): 0,0 0,70 100,70 100,0
GND on Top Layer "GND_L01_P001" (solid, remove dead copper, pour order 1): 0,0 0,70 100,70 100,0

## Keep-outs
Top Layer:
  rectangle: 77.875,13.275 99.6,69.775
Bottom Layer:
  rectangle: 77.875,13.275 99.6,69.775

## Other copper
Top Layer:
  pour cut-out: 7.85,67.2 7.85,62.35 ccw(c8.325,62.35) 8.325,61.875 21.292,61.875 ccw(c21.292,62.608) 22.025,62.608 22.025,67.175 ccw(c21.575,67.175) 21.575,67.625 8.275,67.625 ccw(c8.275,67.2)
  region: 8.96,63.401 8.96,64.434 8.951,64.434 8.951,64.444 8.15,64.444 8.15,64.453 8.141,64.453 8.141,64.472 8.15,64.472 8.15,64.928 8.141,64.928 8.141,64.937 8.15,64.937 8.15,64.956 10.496,64.956 10.496,64.444 9.695,64.444 9.695,64.434 9.686,64.434 9.686,62.34 8.96,62.34 8.96,63.392
  region: 21.31,64.62 21.31,64.164 21.32,64.164 21.32,64.155 21.738,64.155 21.738,63.922 21.729,63.922 21.729,63.913 21.31,63.913 21.31,62.713 21.32,62.713 21.32,62.666 21.329,62.666 21.329,62.647 21.338,62.647 21.338,62.638 21.347,62.638 21.347,62.62 21.357,62.62 21.357,62.61 21.366,62.61 21.366,62.601 21.385,62.601 21.385,62.592 21.394,62.592 21.394,62.582 21.413,62.582 21.413,62.573 21.431,62.573 21.431,62.564 21.468,62.564 21.468,62.554 21.524,62.554 21.524,62.545 21.552,62.545 21.552,62.554 21.645,62.554 21.645,62.564 21.692,62.564 21.692,62.573 21.72,62.573 21.72,62.303 21.682,62.303 21.682,62.294 21.608,62.294 21.608,62.284 21.347,62.284 21.347,62.294 21.273,62.294 21.273,62.303 21.236,62.303 21.236,62.312 21.199,62.312 21.199,62.322 21.171,62.322 21.171,62.331 21.152,62.331 21.152,62.34 21.133,62.34 21.133,62.35 21.115,62.35 21.115,62.359 21.096,62.359 21.096,62.368 21.087,62.368 21.087,62.378 21.068,62.378 21.068,62.387 21.059,62.387 21.059,62.396 21.05,62.396 21.05,62.405 21.04,62.405 21.04,62.424 21.031,62.424 21.031,62.433 21.022,62.433 21.022,62.452 21.012,62.452 21.012,62.461 21.003,62.461 21.003,62.48 20.994,62.48 20.994,62.508 20.984,62.508 20.984,62.536 20.975,62.536 20.975,62.592 20.966,62.592 20.966,63.904 20.957,63.904 20.957,63.913 20.649,63.913 20.649,64.155 20.957,64.155 20.957,64.164 20.966,64.164 20.966,64.546 20.984,64.546 20.984,64.555 21.012,64.555 21.012,64.565 21.04,64.565 21.04,64.574 21.068,64.574 21.068,64.583 21.105,64.583 21.105,64.593 21.133,64.593 21.133,64.602 21.161,64.602 21.161,64.611 21.189,64.611 21.189,64.62 21.217,64.62 21.217,64.63 21.254,64.63 21.254,64.639 21.282,64.639 21.282,64.648 21.31,64.648 21.31,64.63
  region: 495 vertices and 1 holes, not listed, extent 16.545,62.284 18.192,64.211
  region: 18.611,64.816 18.611,64.956 18.956,64.956 18.956,62.34 18.611,62.34 18.611,64.807
  region: 301 vertices and 1 holes, not listed, extent 14.07,62.34 16.21,64.956
  region net GND: 1200 vertices and 0 holes, not listed, extent 8.858,65.114 11.333,67.561
  region: 396 vertices and 0 holes, not listed, extent 10.849,62.294 13.334,64.946
  region: 19.682,62.489 19.682,63.913 19.337,63.913 19.337,64.155 19.672,64.155 19.672,64.164 19.682,64.164 19.682,64.527 19.691,64.527 19.691,64.602 19.7,64.602 19.7,64.648 19.709,64.648 19.709,64.686 19.719,64.686 19.719,64.704 19.728,64.704 19.728,64.732 19.737,64.732 19.737,64.751 19.747,64.751 19.747,64.76 19.756,64.76 19.756,64.779 19.765,64.779 19.765,64.797 19.775,64.797 19.775,64.807 19.784,64.807 19.784,64.825 19.793,64.825 19.793,64.835 19.803,64.835 19.803,64.844 19.812,64.844 19.812,64.853 19.821,64.853 19.821,64.862 19.83,64.862 19.83,64.872 19.84,64.872 19.84,64.881 19.858,64.881 19.858,64.89 19.868,64.89 19.868,64.9 19.877,64.9 19.877,64.909 19.896,64.909 19.896,64.918 19.905,64.918 19.905,64.928 19.923,64.928 19.923,64.937 19.942,64.937 19.942,64.946 19.961,64.946 19.961,64.956 19.989,64.956 19.989,64.965 20.007,64.965 20.007,64.974 20.035,64.974 20.035,64.983 20.072,64.983 20.072,64.993 20.11,64.993 20.11,65.002 20.389,65.002 20.389,64.993 20.426,64.993 20.426,64.983 20.473,64.983 20.473,64.974 20.501,64.974 20.501,64.965 20.51,64.965 20.51,64.695 20.501,64.695 20.501,64.686 20.398,64.686 20.398,64.695 20.259,64.695 20.259,64.686 20.193,64.686 20.193,64.676 20.156,64.676 20.156,64.667 20.138,64.667 20.138,64.658 20.119,64.658 20.119,64.648 20.1,64.648 20.1,64.639 20.091,64.639 20.091,64.63 20.082,64.63 20.082,64.611 20.072,64.611 20.072,64.602 20.063,64.602 20.063,64.583 20.054,64.583 20.054,64.555 20.044,64.555 20.044,64.518 20.035,64.518 20.035,64.164 20.044,64.164 20.044,64.155 20.454,64.155 20.454,63.913 20.035,63.913 20.035,62.34 19.682,62.34 19.682,62.48

## Silkscreen, mask and mechanical layers (free items; w line width, h text height)
Top Overlay:
  drawing of 102 lines, arcs and shapes, not listed
  text "TEG-" at 78.4,65.292 h1.25 r90
  text "TEG+   TEG-" at 61.2,64.175 h1
  text "TEG+" at 78.4,60.96 h1.25 r90
  text "VDD   GND" at 22.831,60.475 h1.25
  text "VEXT    GND" at 31.779,60.475 h1.25
  text "STORE  GND" at 40.727,60.475 h1.25
  text "TEG+   TEG-" at 49.675,60.475 h1.25
  text "MEM" at 64.9,58.875 h1.25
  text "-SENSOR" at 88.475,57.3 h2 r90
  text "V400" at 89.575,57.275 h1 r90
  text "VDD" at 78.4,56.629 h1.25 r90
  text "ACC" at 64.9,56.335 h1.25
  text "MISO" at 64.9,53.795 h1.25
  text "STORE" at 78.4,52.297 h1.25 r90
  text "MOSI" at 64.9,51.255 h1.25
  text "SCLK" at 64.9,48.715 h1.25
  text "ACC" at 78.4,47.965 h1.25 r90
  text "WAKE" at 64.9,46.175 h1.25
  text "RESET" at 64.9,43.635 h1.25
  text "MISO" at 78.4,43.634 h1.25 r90
  text "VEXT" at 64.9,41.095 h1.25
  text "e" at 1.25,40.025 h8
  text "MOSI" at 78.4,39.302 h1.25 r90
  text "VDD" at 64.9,38.555 h1.25
  text "STORE" at 64.9,36.015 h1.25
  text "WAKE" at 78.4,34.97 h1.25 r90
  text "VDD" at 64.9,33.25 h1.25
  text "SCLK" at 78.4,30.639 h1.25 r90
  text "3V3 VDD GND" at 58.325,27.65 h1.25
  text "RESET" at 78.4,26.307 h1.25 r90
  text "RESET" at 51.825,22.725 h1.25
  text "VEXT" at 64.979,22.325 h1.5
  text "MEM" at 78.4,21.975 h1.25 r90
  text "VEXT" at 78.4,17.644 h1.25 r90
  text "VDD" at 65.029,17.15 h1.5
  text "WAKE UP" at 51.825,15.7 h1.25
  text "3V3" at 2.038,15.5 h1.25
  text "DBG" at 78.4,13.312 h1.25 r90
  text "VSTORE" at 64.879,11.65 h1.5
  text "SWCLK" at 78.4,8.98 h1.25 r90
  text "SWDIO" at 78.4,4.649 h1.25 r90
  text "SWD" at 38.5,1.075 h1.25 r90
  text "GND" at 78.4,0.6 h1.25 r90
Top Solder:
  region: 7.85,62.349 7.85,67.2 cw(c8.275,67.2) 8.275,67.625 21.575,67.625 cw(c21.575,67.175) 22.025,67.175 22.025,62.626 cw(c21.298,62.625) 21.299,61.899 8.324,61.876 cw(c8.324,62.349)
Mechanical 1:
  the board outline again, w0.5
Board Outline:
  the board outline again, w0.5
Drill Drawing:
  circle w0.254: c106.156,33.89 r0.847
  lines w0.254: 105.309,36.854 107.003,36.854 107.003,38.547 105.309,38.547 105.309,36.854 ; 105.309,41.087 105.733,41.087 106.156,40.664 106.579,41.087 107.003,41.087 106.579,41.51 107.003,41.933 106.579,41.933 106.156,42.357 105.733,41.933 105.309,41.933 105.733,41.51 105.309,41.087 ; 105.309,46.167 107.003,46.167 106.156,44.474 105.309,46.167 ; 105.309,48.284 106.156,48.707 107.003,48.284 106.579,49.13 107.003,49.977 106.156,49.553 105.309,49.977 105.733,49.13 105.309,48.284 ; 105.309,52.94 106.156,52.094 107.003,52.94 106.156,53.787 105.309,52.94 ; 105.309,56.327 105.733,56.327 105.733,55.904 106.579,55.904 106.579,56.327 107.003,56.327 107.003,57.173 106.579,57.173 106.579,57.597 105.733,57.597 105.733,57.173 105.309,57.173 105.309,56.327
  lines w0.381: 103.791,31.901 267.373,31.901 ; 103.791,58.571 267.373,58.571 ; 117.783,28.091 117.783,62.381 ; 133.019,28.091 133.019,62.381 ; 162.728,28.091 162.728,62.381 ; 175.577,28.091 175.577,62.381 ; 194.216,28.091 194.216,62.381 ; 232.304,28.091 232.304,62.381 ; 247.287,28.091 247.287,62.381 ; 103.791,28.091 267.373,28.091 267.373,62.381 103.791,62.381 103.791,28.091
  text "Symbol" at 106.077,59.714 h1.83
  text "Count" at 118.926,59.714 h1.83
  text "Hole Size" at 134.162,59.714 h1.83
  text "Plated" at 163.871,59.714 h1.83
  text "Hole Type" at 176.72,59.714 h1.83
  text "Drill Layer Pair" at 195.359,59.714 h1.83
  text "Via/Pad" at 233.447,59.714 h1.83
  text "Pad Shape" at 248.43,59.714 h1.83
  text "4" at 118.926,55.904 h1.52
  text "3,200mm (125,98mil)" at 134.162,55.904 h1.52
  text "PTH" at 163.871,55.904 h1.52
  text "Round" at 176.72,55.904 h1.52
  text "Top Layer - Bottom Layer" at 195.359,55.904 h1.52
  text "Pad" at 233.447,55.904 h1.52
  text "Rounded" at 248.43,55.904 h1.52
  text "8" at 118.926,52.094 h1.52
  text "1,200mm (47,24mil)" at 134.162,52.094 h1.52
  text "PTH" at 163.871,52.094 h1.52
  text "Round" at 176.72,52.094 h1.52
  text "Top Layer - Bottom Layer" at 195.359,52.094 h1.52
  text "Pad" at 233.447,52.094 h1.52
  text "Rounded" at 248.43,52.094 h1.52
  text "10" at 118.926,48.284 h1.52
  text "0,740mm (29,13mil)" at 134.162,48.284 h1.52
  text "PTH" at 163.871,48.284 h1.52
  text "Round" at 176.72,48.284 h1.52
  text "Top Layer - Bottom Layer" at 195.359,48.284 h1.52
  text "Pad" at 233.447,48.284 h1.52
  text "(Mixed)" at 248.43,48.284 h1.52
  text "12" at 118.926,44.474 h1.52
  text "0,790mm (31,10mil)" at 134.162,44.474 h1.52
  text "PTH" at 163.871,44.474 h1.52
  text "Round" at 176.72,44.474 h1.52
  text "Top Layer - Bottom Layer" at 195.359,44.474 h1.52
  text "Pad" at 233.447,44.474 h1.52
  text "(Mixed)" at 248.43,44.474 h1.52
  text "16" at 118.926,40.664 h1.52
  text "1,600mm (62,99mil)" at 134.162,40.664 h1.52
  text "PTH" at 163.871,40.664 h1.52
  text "Round" at 176.72,40.664 h1.52
  text "Top Layer - Bottom Layer" at 195.359,40.664 h1.52
  text "Pad" at 233.447,40.664 h1.52
  text "Rounded" at 248.43,40.664 h1.52
  text "44" at 118.926,36.854 h1.52
  text "1,100mm (43,31mil)" at 134.162,36.854 h1.52
  text "PTH" at 163.871,36.854 h1.52
  text "Round" at 176.72,36.854 h1.52
  text "Top Layer - Bottom Layer" at 195.359,36.854 h1.52
  text "Pad" at 233.447,36.854 h1.52
  text "(Mixed)" at 248.43,36.854 h1.52
  text "112" at 118.926,33.044 h1.52
  text "0,350mm (13,78mil)" at 134.162,33.044 h1.52
  text "PTH" at 163.871,33.044 h1.52
  text "Round" at 176.72,33.044 h1.52
  text "Top Layer - Bottom Layer" at 195.359,33.044 h1.52
  text "Via" at 233.447,33.044 h1.52
  text "Rounded" at 248.43,33.044 h1.52
  text "206 Total" at 118.926,29.234 h1.52